# Altium PCB Sensors_Power_Characterisation_Board.PcbDoc (part 1 of 2) (continued)
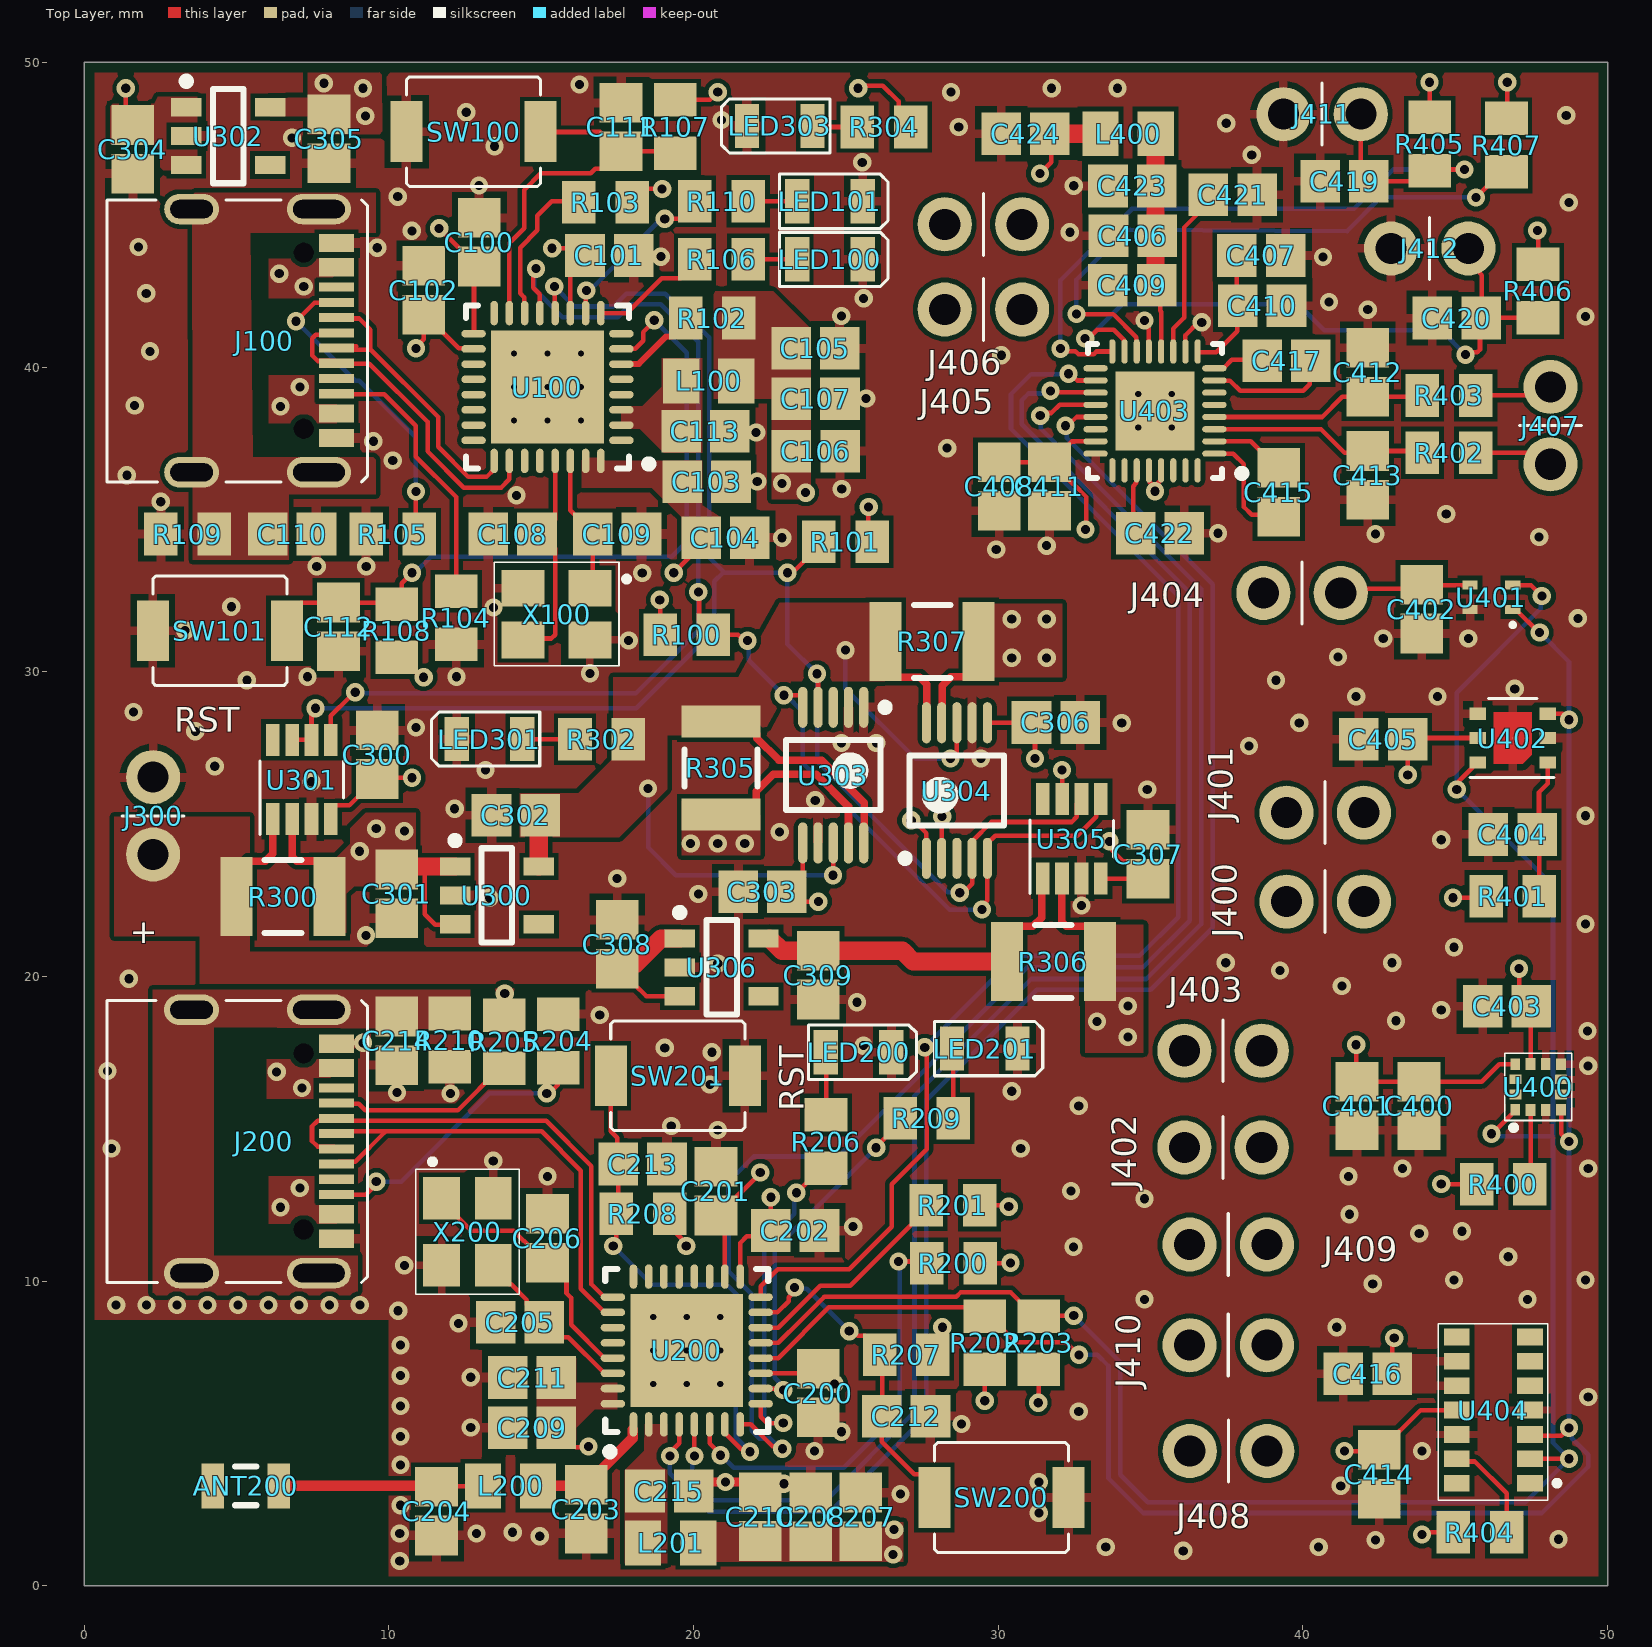
[diagram p0: Top Layer view]
## Design rules (kind name [scope] priority, off if disabled: settings)
BoardOutlineClearance BoardOutlineClearance_1 [All] p1: gap=0.3 ignorepadtopadclearanceinfootprint=FALSE
Clearance "Stitching GND" [IsStitchingVia and InNet('GND') vs (IsVia and (Not IsStitchingVia)) Or IsPad] p1: gap=0.1 ignorepadtopadclearanceinfootprint=FALSE
Clearance Clearance_1 [(ExistsOnLayer('Int1 (GND)') Or ExistsOnLayer('Int2 (PWR)')) vs (ExistsOnLayer('Int1 (GND)') Or ExistsOnLayer('Int2 (PWR)'))] p2: gap=0.15 ignorepadtopadclearanceinfootprint=FALSE except(0.2: Arc-Arc Arc-Track Arc-Text Track-Track Track-Text Text-Text; 0.254: Hole-Hole) sourcerule=47 cellrowname=All cellrowtype=0 cellcolname=All cellcoltype=0 innerlayers=TRUE
Clearance Clearance_2 [(ExistsOnLayer('Top Layer') Or ExistsOnLayer('Bottom Layer')) vs (ExistsOnLayer('Top Layer') Or ExistsOnLayer('Bottom Layer'))] p3: gap=0.15 ignorepadtopadclearanceinfootprint=FALSE except(0.2: Arc-Arc Arc-Track Arc-Text Track-Track Track-Text Text-Text; 0.254: Hole-Hole) sourcerule=47 cellrowname=All cellrowtype=0 cellcolname=All cellcoltype=0 outerlayers=TRUE
Clearance [All] p4: gap=0.254 ignorepadtopadclearanceinfootprint=FALSE ismatrix=TRUE
HoleSize None [HasFootprint('QFN*')] p1: absolutevalues=TRUE maxlimit=2.54 minlimit=0 maxpercent=80.000 minpercent=20.000
HoleSize [All] p2: absolutevalues=TRUE maxlimit=6.3 minlimit=0.3 maxpercent=80.000 minpercent=20.000
HoleToHoleClearance [All] p1: gap=0.5 allowstackedmicrovias=TRUE
Length MaxMinLength_1 [InNet('ANT')] p1: maxlimit=2540 minlimit=0
MaxMinImpedance MaxMinImpedance_1 [InNet('ANT')] p1: minimum=50.00 maximum=50.00
MaximumViaCount MaximumViaCount_1 [InNet('ANT')] p1: limit=0
MinimumSolderMaskSliver MinimumSolderMaskSliver_1 [All] p1: minsoldermaskwidth=0
MinimumSolderMaskSliver [All] p2: minsoldermaskwidth=0.1
PlaneConnect [All] p1: planeconnectstyle=Relief reliefexpansion=0.508 reliefentries=2 reliefconductorwidth=0.254 reliefairgap=0.254
PolygonConnect GND_Via_Connect [IsVia] p1: thpad.connectstyle=Relief thpad.reliefconductorwidth=0.3 thpad.reliefentries=2 thpad.polygonreliefangle="0 Angle" thpad.airgapwidth=0.2 smdpad.connectstyle=Relief smdpad.reliefconductorwidth=0.3 smdpad.reliefentries=2 smdpad.polygonreliefangle="0 Angle" smdpad.airgapwidth=0.2 via.connectstyle=Direct via.reliefconductorwidth=0.254 via.reliefentries=2 via.polygonreliefangle="0 Angle" via.airgapwidth=0.254
PolygonConnect "Direct Connect" [IsNamedPolygon('PMCU_pin2_3') OR IsNamedPolygon('PMCU_pin31_32') OR IsNamedPolygon('PMCU_EARTH') OR IsNamedPolygon('PMCU_ind') OR IsNamedPolygon('SMCU_pin2_3') OR IsNamedPolygon('SMCU_ind') OR IsNamedPolygon('SMCU_pin31_32') OR IsNamedPolygon('SMCU_EARTH') OR IsNamedPolygon('PMCU_REG_IN') OR IsNamedPolygon('PMCU_USB_POWER_IN1') OR IsNamedPolygon('PMCU_USB_POWER_IN2') OR IsNamedPolygon('PMCU_REG_OUT') OR IsNamedPolygon('PowerInConn') OR IsNamedPolygon('3V3REG_OUT') OR IsNamedPolygon('CS_SMCU_POUR') OR IsNamedPolygon('CS_5V_NET')OR IsNamedPolygon('SMCU_USB_POWER_IN1') OR IsNamedPolygon('SMCU_USB_POWER_IN2') OR IsNamedPolygon('PPG_VLED_POUR') OR IsNamedPolygon('CS_3V3_POUR') OR IsNamedPolygon('CS_1V8_Pour')] p2: connectstyle=Direct reliefconductorwidth=0.3 reliefentries=4 polygonreliefangle="45 Angle" airgapwidth=0.2
PolygonConnect [All] p3: connectstyle=Relief reliefconductorwidth=0.3 reliefentries=4 polygonreliefangle="90 Angle" airgapwidth=0.2
RoutingVias [All] p1: holewidth=0.3 width=0.6 viastyle="Through Hole" minholewidth=0.3 minwidth=0.6 maxholewidth=0.3 maxwidth=0.6
SilkToSilkClearance [All] p1: silktosilkclearance=0.1
SilkToSolderMaskClearance [IsPad] p1: minsilkscreentomaskgap=0.1 clearancetoexposedcopper=TRUE
SolderMaskExpansion ViaMasl [IsVia] p1: expansion=0.102 istentingtop=TRUE useseparateexpansions=TRUE expansionbottom=0.102 istentingbottom=TRUE
SolderMaskExpansion [All] p2: expansion=0.05 istentingtop=FALSE
StubLength DaisyChainStubLength_1 [InNet('ANT')] p1: limit=0
UnRoutedNet [All] p1: checkbadconnections=TRUE
Width MaxMinWidth_1 [All] p1: maxlimit=0.7 minlimit=0.1 preferedwidth=0.25 minimp=50.000000 maximp=50.000000 favimp=50.000000
23 further rules are at their usual default settings.

## Classes and differential pairs
component class SH4: ANT200 C200 C201 C202 C203 C204 C205 C206 C207 C208 C209 C210 C211 C212 C213 C214 C215 J200 L200 L201 LED200 LED201 R200 R201 R203 R204 R205 R206 R207 R208 R209 R210 SW200 SW201 U200 X200
component class SH3: C100 C101 C102 C103 C104 C105 C106 C107 C108 C109 C110 C111 C112 C113 J100 L100 LED100 LED101 R100 R101 R102 R103 R104 R105 R106 R107 R108 R109 R110 SW100 SW101 U100 X100
component class SH2: C400 C401 C402 C403 C404 C405 C406 C407 C408 C409 C410 C411 C412 C413 C414 C415 C416 C417 C419 C420 C421 C422 C423 C424 J400 J401 J402 J403 J404 J405 J406 J407 J408 J409 J410 J411 J412 L400 R400 R401 R402 R403 R404 R405 R406 R407 U400 U401 U402 U403 U404
component class SH1: C300 C301 C302 C303 C304 C305 C306 C307 C308 C309 J300 LED301 LED303 R300 R302 R304 R305 R306 R307 U300 U301 U302 U303 U304 U305 U306

## Components (designator, comment, footprint, x,y, rotation, side; value= is the part's Value field where it differs from the comment)
ANT200 "2.4GHZ_ANT_50_OHM" Chip2PinSM127P600-8N 5.296,3.275 r180 top
C100 "C_0805_0.1uF" CAP_0805 12.964,44.099 r90 top
C101 "C_0805_0.1uF" CAP_0805 17.234,43.661 r180 top
C102 "C_0805_0.1uF" CAP_0805 11.138,42.518 r90 top
C103 "C_0805_10nF" CAP_0805 20.426,36.238 r180 top
C104 "C_0805_0.1uF" CAP_0805 21.044,34.39 r180 top
C105 "C_0805_1uF" CAP_0805 23.998,40.613 r180 top
C106 "C_0805_0.1uF" CAP_0805 24.006,37.237 r0 top
C107 "C_0805_10uF" CAP_0805 24.003,38.962 r180 top
C108 "C_0805_10pF" CAP_0805 14.059,34.517 r0 top
C109 "C_0805_10pF" CAP_0805 17.488,34.517 r180 top
C110 "C_0805_10nF" CAP_0805 6.82,34.517 r0 top
C111 "C_0805_0.1uF" CAP_0805 17.615,47.879 r270 top
C112 "C_0805_0.1uF" CAP_0805 8.344,31.469 r90 top
C113 "C_0805_0.1uF" CAP_0805 20.388,37.889 r0 top
C200 "C_0805_0.1uF" CAP_0805 24.092,6.323 r270 top
C201 "C_0805_0.1uF" CAP_0805 20.732,12.95 r270 top
C202 "C_0805_0.1uF" CAP_0805 23.33,11.657 r0 top
C203 "C_0805_3.3pF" CAP_0805 16.472,2.513 r90 top
C204 "C_0805_3.3pF" CAP_0805 11.559,2.446 r90 top
C205 "C_0805_10pF" CAP_0805 14.302,8.65 r0 top
C206 "C_0805_10pF" CAP_0805 15.202,11.403 r270 top
C207 "C_0805_10uF" CAP_0805 25.489,2.259 r270 top
C208 "C_0805_1uF" CAP_0805 23.838,2.259 r270 top
C209 "C_0805_10nF" CAP_0805 14.694,5.18 r0 top
C210 "C_0805_0.1uF" CAP_0805 22.181,2.266 r90 top
C211 "C_0805_0.1uF" CAP_0805 14.694,6.831 r0 top
C212 "C_0805_0.1uF" CAP_0805 26.975,5.561 r180 top
C213 "C_0805_0.1uF" CAP_0805 18.324,13.838 r180 top
C214 "C_0805_10nF" CAP_0805 10.249,17.88 r270 top
C215 "C_0805_0.1uF" CAP_0805 19.202,3.106 r0 top
C300 "C_0805_0.1uF" CAP_0805 9.614,27.278 r90 top
C301 "C_0805_1uF" CAP_0805 10.249,22.706 r90 top
C302 "C_0805_1uF" CAP_0805 14.166,25.291 r0 top
C303 "C_0805_0.1uF" CAP_0805 22.26,22.78 r0 top
C304 "C_0805_1uF" CAP_0805 1.589,47.142 r90 top
C305 "C_0805_1uF" CAP_0805 8.032,47.493 r90 top
C306 "C_0805_0.1uF" CAP_0805 31.889,28.333 r0 top
C307 "C_0805_0.1uF" CAP_0805 34.915,24.006 r90 top
C308 "C_0805_1uF" CAP_0805 17.488,21.055 r270 top
C309 "C_0805_1uF" CAP_0805 24.092,20.039 r90 top
C400 "C_0805_0.1uF" CAP_0805 43.81,15.746 r90 top
C401 "C_0805_10uF" CAP_0805 41.775,15.746 r90 top
C402 "C_0805_0.1uF" CAP_0805 43.897,32.053 r90 top
C403 "C_0805_0.1uF" CAP_0805 46.698,19.023 r0 top
C404 "C_0805_1uF" CAP_0805 46.885,24.658 r0 top
C405 "C_0805_1uF" CAP_0805 42.634,27.786 r0 top
C406 "C_0805_1uF" CAP_0805 34.415,44.311 r0 top
C407 "C_0805_1uF" CAP_0805 38.631,43.661 r180 top
C408 "C_0805_1uF" CAP_0805 30.027,36.079 r270 top
C409 "C_0805_0.1uF" CAP_0805 34.395,42.68 r0 top
C410 "C_0805_0.1uF" CAP_0805 38.659,42.01 r180 top
C411 "C_0805_0.1uF" CAP_0805 31.678,36.079 r270 top
C412 "C_0805_4.7nF" CAP_0805 42.127,39.828 r270 top
C413 "C_0805_4.7nF" CAP_0805 42.127,36.444 r90 top
C414 "C_0805_1uF" CAP_0805 42.507,3.656 r90 top
C415 "C_0805_4.7nF" CAP_0805 39.206,35.891 r270 top
C416 "C_0805_10uF" CAP_0805 42.126,6.958 r0 top
C417 "C_0805_4.7nF" CAP_0805 39.46,40.209 r0 top
C419 "C_0805_0.1uF" CAP_0805 41.364,46.101 r0 top
C420 "C_0805_0.1uF" CAP_0805 45.048,41.606 r0 top
C421 "C_0805_1uF" CAP_0805 37.693,45.653 r180 top
C422 "C_0805_1uF" CAP_0805 35.306,34.544 r180 top
C423 "C_0805_0.1uF" CAP_0805 34.399,45.943 r0 top
C424 "C_0805_0.1uF" CAP_0805 30.893,47.657 r0 top
J100 "USB_C_CONNECTOR" USB_C_CONNECTOR-Footprint-1 7.701,45.183 r270 top
J200 "USB_C_CONNECTOR" USB_C_CONNECTOR-Footprint-1 7.698,18.9 r270 top
J300 "2PIN_2.54mm" 2PIN_2.54mm-Footprint-1 2.258,23.999 r90 top
J400 "JUMPER" 2PIN_2.54mm-Footprint-1 41.999,22.452 r180 top
J401 "JUMPER" 2PIN_2.54mm-Footprint-1 41.999,25.373 r180 top
J402 "JUMPER" 2PIN_2.54mm-Footprint-1 38.646,14.382 r180 top
J403 "JUMPER" 2PIN_2.54mm-Footprint-1 38.646,17.557 r180 top
J404 "JUMPER" 2PIN_2.54mm-Footprint-1 41.24,32.584 r180 top
J405 "JUMPER" 2PIN_2.54mm-Footprint-1 30.782,41.89 r180 top
J406 "JUMPER" 2PIN_2.54mm-Footprint-1 30.782,44.684 r180 top
J407 "2PIN_2.54mm" 2PIN_2.54mm-Footprint-1 48.123,36.808 r90 top
J408 "JUMPER" 2PIN_2.54mm-Footprint-1 38.824,4.418 r180 top
J409 "JUMPER" 2PIN_2.54mm-Footprint-1 38.817,11.196 r180 top
J410 "JUMPER" 2PIN_2.54mm-Footprint-1 38.817,7.894 r180 top
J411 "JUMPER" 2PIN_2.54mm-Footprint-1 39.358,48.298 r0 top
J412 "JUMPER" 2PIN_2.54mm-Footprint-1 42.889,43.892 r0 top
L100 "L_0805_2.2nH" L_0805 20.494,39.544 r180 top
L200 "L_0805_2.2nH" L_0805 13.989,3.275 r0 top
L201 "L_0805_2.2nH" L_0805 19.242,1.401 r180 top
L400 "L_0805_2.2nH" L_0805 34.259,47.657 r180 top
LED100 "LED_0805_GREEN" LED_0806 24.473,43.534 r180 top
LED101 "LED_0805_GREEN" LED_0806 24.473,45.439 r180 top
LED200 "LED_0805_GREEN" LED_0806 25.413,17.509 r180 top
LED201 "LED_0805_GREEN" LED_0806 29.553,17.626 r180 top
LED301 "LED_0805_RED" LED_0806 13.297,27.786 r0 top
LED303 "LED_0805_RED" LED_0806 22.825,47.911 r0 top
R100 "R_0805_5k1" 0805_RES 19.774,31.215 r0 top
R101 "R_0805_5k1" 0805_RES 24.981,34.263 r180 top
R102 "R_0805_5k1" 0805_RES 20.611,41.606 r180 top
R103 "R_0805_5k1" 0805_RES 17.109,45.406 r180 top
R104 "R_0805_5k1" 0805_RES 12.209,31.767 r270 top
R105 "R_0805_5k1" 0805_RES 10.122,34.517 r180 top
R106 "R_0805_330R" 0805_RES 20.917,43.534 r180 top
R107 "R_0805_5k1" 0805_RES 19.393,47.893 r270 top
R108 "R_0805_5k1" 0805_RES 10.249,31.342 r90 top
R109 "R_0805_1M" 0805_RES 3.391,34.517 r0 top
R110 "R_0805_330R" 0805_RES 20.917,45.439 r180 top
R200 "R_0805_5k1" 0805_RES 28.525,10.578 r180 top
R201 "R_0805_5k1" 0805_RES 28.511,12.483 r180 top
R202 "R_0805_5k1" 0805_RES 29.553,7.974 r90 top
R203 "R_0805_5k1" 0805_RES 31.331,7.974 r90 top
R204 "R_0805_5k1" 0805_RES 15.554,17.88 r90 top
R205 "R_0805_5k1" 0805_RES 13.785,17.855 r90 top
R206 "R_0805_330R" 0805_RES 24.346,14.578 r270 top
R207 "R_0805_5k1" 0805_RES 26.975,7.578 r180 top
R208 "R_0805_5k1" 0805_RES 18.334,12.207 r180 top
R209 "R_0805_330R" 0805_RES 27.648,15.34 r180 top
R210 "R_0805_1M" 0805_RES 11.998,17.905 r90 top
R300 "CSR_1210_130m" CSR_1210 6.522,22.619 r180 top
R302 "R_0805_330R" 0805_RES 16.98,27.786 r0 top
R304 "R_0805_330R" 0805_RES 26.251,47.879 r0 top
R305 "CSR_1210_100m" CSR_1210 20.897,26.839 r270 top
R306 "CSR_1210_150m" CSR_1210 31.806,20.485 r0 top
R307 "CSR_1210_6.49R" CSR_1210 27.827,30.992 r0 top
R400 "R_0805_5k1" 0805_RES 46.571,13.181 r180 top
R401 "R_0805_4.7R" 0805_RES 46.885,22.626 r0 top
R402 "R_0805_51k" 0805_RES 44.793,37.184 r0 top
R403 "R_0805_51k" 0805_RES 44.794,39.066 r0 top
R404 "R_0805_5k1" 0805_RES 45.809,1.751 r180 top
R405 "R_0805_5k1" 0805_RES 44.159,47.321 r90 top
R406 "R_0805_5k1" 0805_RES 47.715,42.495 r90 top
R407 "R_0805_5k1" 0805_RES 46.68,47.285 r90 top
SW100 "TACTILE_SW" TACTILE_SW-Footprint-1 14.974,47.724 r180 top
SW101 "TACTILE_SW" TACTILE_SW-Footprint-1 6.648,31.342 r180 top
SW200 "TACTILE_SW" TACTILE_SW-Footprint-1 27.902,2.894 r0 top
SW201 "TACTILE_SW" TACTILE_SW-Footprint-1 17.279,16.737 r0 top
U100 "ESP32-C3" QFN127P600-8N#1 15.202,39.343 r180 top
U200 "ESP32-C3" QFN127P600-8N#1 19.774,7.72 r90 top
U300 "TLV75533PDBVR" SOT95P280X145-5N 13.543,22.656 r0 top
U301 "INA236A" INA236A-Footprint-1 6.186,25.159 r90 top
U302 "TLV75533PDBVR" SOT95P280X145-5N 4.721,47.58 r0 top
U303 "INA228" TSSOP50P490X110-10N 24.582,26.605 r270 top
U304 "INA228" TSSOP50P490X110-10N 28.641,26.099 r90 top
U305 "INA236A" INA236A-Footprint-1 31.458,23.214 r90 top
U306 "TPS784-Q1" SOT95P280X145-5N 20.917,20.293 r0 top
U400 "LIS2DE12" LIS2DE12-Footprint-1 46.97,15.618 r90 top
U401 "SHT40_B" SHT40_B-Footprint-1 46.885,32.043 r180 top
U402 "SGP41" SGP41-D-R4-Footprint-2 48.035,27.022 r180 top
U403 "ADS1292" QFN127P600-8N#2 35.142,38.558 r180 top
U404 "MAX30102" MAX30102-Footprint-1 47.447,3.364 r180 top
X100 "40MHz_OSC" 40MHz_OSC-Footprint-1 16.599,31.039 r180 top
X200 "40MHz_OSC" 40MHz_OSC-Footprint-1 13.424,12.714 r270 top

## Footprints (in the part's own frame and the unit in brackets; to place one, negate y for a bottom-side part, rotate by r counter-clockwise, add the part's x,y. Pads: shape width x height; smd on the part's side, far side on the other; paste and mask are expansions set on the pad)
2PIN_2.54mm-Footprint-1 [mil]
  round 70 hole 40.16: 1(0,0) 2(100,0)
  silkscreen extent 50,-40 50,40, body extent -50,-48 150,50, height 330
40MHz_OSC-Footprint-1 [mm]
  rect 1.4x1.2 smd mask+0.2: 1(0,-1.7) 2(2.2,-1.7) 3(2.2,0) 4(0,0)
  silkscreen extent -1.25,-2.55 3.15,0.85, body extent -0.5,-2.1 2.7,0.4, height 0.6
0805_RES [mm]
  rect 1.1x1.4 smd: 1(-0.875,0) 2(0.875,0)
  body extent -1.07,-0.7 1.07,0.7, height 0.65
CAP_0805 [mm]
  rect 1.3x1.4 smd: 1(-0.8,0) 2(0.8,0)
  body extent -1.05,-0.67 1.05,0.67, height 1.35
Chip2PinSM127P600-8N [mm]
  rect 0.74x1.47 smd: 1(-1.085,0) 2(1.085,0)
  silkscreen extent -0.35,-0.64 0.35,0.64, body extent -1.1,-0.72 1.1,0.72, height 1.2
CSR_1210 [mm]
  rect 1.05x2.6 smd: 1(-1.525,0) 2(1.525,0)
  silkscreen extent -0.6,-1.2 0.6,1.2, body extent -1.7,-1.4 1.7,1.2, height 0.6
INA236A-Footprint-1 [mm]
  rect 1.05x0.45 smd: 1(0,0) 2(0,-0.635) 3(0,-1.27) 4(0,-1.905) 5(2.601,-1.905) 6(2.601,-1.27) 7(2.601,-0.635) 8(2.601,0)
  silkscreen extent -0.5,-2.32 1.91,0.42, body extent -0.17,-2.4 2.63,0.5, height 1.45
L_0805 [mm]
  rect 1.19x1.47 smd: 1(-0.905,0) 2(0.905,0)
  body extent -1.15,-0.72 1.15,0.72, height 1.05
LED_0806 [mm]
  rect 0.8x1.45 smd: 1(-1.075,0) 2(1.075,0)
  silkscreen extent -1.91,-0.89 1.65,0.89, body extent -1,-0.63 1,0.63, height 0.8
LIS2DE12-Footprint-1 [mm]
  rect 0.38x0.32 smd mask+0.1: 1(0,0) 4(0,-1.5) 7(1.5,-1.5) 10(1.5,0)
  rect 0.39x0.32 smd mask+0.1: 2(0,-0.5) 3(0,-1) 8(1.5,-1) 9(1.5,-0.5)
  rect 0.32x0.39 smd mask+0.1: 5(0.5,-1.5) 6(1,-1.5) 11(1,0) 12(0.5,0)
  silkscreen extent -0.64,-1.85 1.85,0.35, body extent -0.25,-1.75 1.75,0.25, height 1
MAX30102-Footprint-1 [mm]
  rect 0.85x0.55 smd mask+0.15: 1(0,0) 2(0,-0.8) 3(0,-1.6) 4(0,-2.4) 5(0,-3.2) 6(0,-4) 7(0,-4.8) 8(2.4,-4.8) 9(2.4,-4) 10(2.4,-3.2) 11(2.4,-2.4) 12(2.4,-1.6) 13(2.4,-0.8) 14(2.4,0)
  silkscreen extent -0.94,-5.23 3.01,0.56, body extent -0.43,-5.13 2.87,0.47, height 1.65
QFN127P600-8N#1 [mm]
  oval 0.8x0.25 smd: 1(-2.425,1.75) 2(-2.425,1.25) 3(-2.425,0.75) 4(-2.425,0.25) 5(-2.425,-0.25) 6(-2.425,-0.75) 7(-2.425,-1.25) 8(-2.425,-1.75) 17(2.425,-1.75) 18(2.425,-1.25) 19(2.425,-0.75) 20(2.425,-0.25) 21(2.425,0.25) 22(2.425,0.75) 23(2.425,1.25) 24(2.425,1.75)
  oval 0.25x0.8 smd: 9(-1.75,-2.425) 10(-1.25,-2.425) 11(-0.75,-2.425) 12(-0.25,-2.425) 13(0.25,-2.425) 14(0.75,-2.425) 15(1.25,-2.425) 16(1.75,-2.425) 25(1.75,2.425) 26(1.25,2.425) 27(0.75,2.425) 28(0.25,2.425) 29(-0.25,2.425) 30(-0.75,2.425) 31(-1.25,2.425) 32(-1.75,2.425)
  rect 3.7x3.7 smd: 33(0,0)
  silkscreen extent -3.45,-2.68 2.68,2.67, body extent -2.58,-2.58 2.58,2.58, height 0.9
QFN127P600-8N#2 [mm]
  oval 0.8x0.2 smd: 1(-1.95,1.4) 2(-1.95,1) 3(-1.95,0.6) 4(-1.95,0.2) 5(-1.95,-0.2) 6(-1.95,-0.6) 7(-1.95,-1) 8(-1.95,-1.4) 17(1.95,-1.4) 18(1.95,-1) 19(1.95,-0.6) 20(1.95,-0.2) 21(1.95,0.2) 22(1.95,0.6) 23(1.95,1) 24(1.95,1.4)
  oval 0.2x0.8 smd: 9(-1.4,-1.95) 10(-1,-1.95) 11(-0.6,-1.95) 12(-0.2,-1.95) 13(0.2,-1.95) 14(0.6,-1.95) 15(1,-1.95) 16(1.4,-1.95) 25(1.4,1.95) 26(1,1.95) 27(0.6,1.95) 28(0.2,1.95) 29(-0.2,1.95) 30(-0.6,1.95) 31(-1,1.95) 32(-1.4,1.95)
  rect 2.6x2.6 smd: 33(0,0)
  silkscreen extent -2.98,-2.2 2.2,2.2, body extent -2.1,-2.1 2.1,2.1, height 0.9
SGP41-D-R4-Footprint-2 [mm]
  rect 0.55x0.4 smd: 1(0,0) 2(0,-0.8) 3(0,-1.6) 4(2.3,-1.6) 5(2.3,-0.8) 6(2.3,0)
  round 0.025 smd: 7(1.15,-0.8)
  Top Layer region: 0.825,0.05 0.525,-0.25 0.525,-1.65 1.775,-1.65 1.775,0.05
  silkscreen extent -0.2,-2.1 2.55,0.5, body extent -0.06,-2.03 2.38,0.41, height 0.95
SHT40_B-Footprint-1 [mm]
  rect 0.5x0.3 smd: 1(0,0) 2(0,-0.799) 3(1.4,-0.8) 4(1.4,0)
  silkscreen extent -0.01,0.5 0.01,0.52, body extent -0.05,-1.15 1.45,0.35, height 0.69
SOT95P280X145-5N [mm] "SOT23, 5-Leads, Body 2.90x2.80mm, Pitch 0.95mm, IPC Medium Density"
  rect 1x0.6 smd: 1(-1.375,0.95) 2(-1.375,0) 3(-1.375,-0.95) 4(1.375,-0.95) 5(1.375,0.95)
  silkscreen extent -1.5,-1.55 0.5,1.92, body extent -1.5,-1.53 1.5,1.53, height 1.45
TACTILE_SW-Footprint-1 [mm]
  rect 1.05x2 smd: 1(0,0) 2(4.4,0)
  silkscreen extent 0,-1.8 4.4,1.8, body extent 0.2,-1.25 4.2,1.25, height 1.75
TSSOP50P490X110-10N [mm] "TSSOP, 10-Leads, Body 3.00x3.00mm, Pitch 0.50mm, IPC Medium Density"
  oval 1.35x0.3 smd: 1(-2.225,1) 2(-2.225,0.5) 3(-2.225,0) 4(-2.225,-0.5) 5(-2.225,-1) 6(2.225,-1) 7(2.225,-0.5) 8(2.225,0) 9(2.225,0.5) 10(2.225,1)
  silkscreen extent -2.35,-1.55 1.15,1.83, body extent -2.45,-1.55 2.45,1.55, height 1.1
USB_C_CONNECTOR-Footprint-1 [mm]
  round 0 hole 0.65 unplated mask+0.1: 16(1.43,-0.5) 16(7.21,-0.5)
  rect 0.6x1.15 smd: A1_B12(1.112,0.575) A4_B9(1.912,0.575) A9_B4(6.712,0.575) A12_B1(7.512,0.575)
  rect 0.3x1.15 smd: A5(3.062,0.575) A6(4.062,0.575) A7(4.562,0.575) A8(5.562,0.575) B5(6.062,0.575) B6(5.062,0.575) B7(3.562,0.575) B8(2.562,0.575)
  oval 1x2.1 hole 0.6 slot 1.7 at 90 deg mask+0.2: MH1(0,0) MH4(8.64,0)
  oval 1x1.8 hole 0.6 slot 1.4 at 90 deg mask+0.2: MH2(0,-4.18) MH3(8.64,-4.18)
  silkscreen extent -0.3,-6.95 8.95,1.6, body extent -0.15,-6.78 8.79,0.82, height 3.38

## Part data
ANT200: library part CMP-00009-6, "2.4GHz Chip Antenna 50 Ohm Impedance ANT2012LL00R2400A", Distributor=Mouser, Order Code=603-ANT2012LL00R2400
C100 C101 C102 C104 C106 C111 C112 C113 C200 C201 C202 C210 C211 C212 C213 C215 C300 C303 C306 C307 C400 C402 C403 C409 C410 C411 C419 C420 C423 C424: library part CMP-00002-3, JLC Part Number=C28233
C103 C110 C209 C214: library part CMP-00012-2, JLC Part Number=C1710
C105 C208 C301 C302 C304 C305 C308 C309 C404 C405 C406 C407 C408 C414 C421 C422: library part CMP-00004-3, JLC Part Number=C28323
C107 C207 C401 C416: library part CMP-00006-2, JLC Part Number=C15850
C108 C109 C205 C206: library part CMP-00016-3, JLC Part Number=C107107
C203 C204: library part CMP-00010-2, "3.3pF Capaciror", JLC Part Number=C1811
C412 C413 C415 C417: library part CMP-00027-3, JLC Part Number=C1744
J100 J200: library part CMP-00013-3, "USB2.0, Type C, Top Mount, Ch 1.68MM, Dual Row SMT / Tap/rl", JLC Part Number=C2831450
J300 J407: library part CMP-00018-3, "2 pin power input", JLC Part Number=C5360898
J400 J401 J402 J403 J404 J405 J406 J408 J409 J410 J411 J412: library part CMP-00028-2, "2 pin jumper", JLC Part Number=C5360898
L100 L200 L201 L400: library part CMP-00011-3, "Required a minimum current of 500mA and a resonant frequrency of at least 6GHz", JLC Part Number=C964055
LED100 LED101 LED200 LED201: library part CMP-00020-3, "LED, Green, SMD, 0805 [2012 Metric], 30 mA, 2 V, 570 nm", JLC Part Number=C2297, Distributor=Farnell, Order Code=2322081
LED301 LED303: library part CMP-00021-4, "LED, Red, SMD, 0805 [2012 Metric], 30 mA, 2 V, 625 nm", JLC Part Number=C94741, Distributor=Farnell, Order Code=2322077
R100 R101 R102 R103 R104 R105 R107 R108 R200 R201 R202 R203 R204 R205 R207 R208 R400 R404 R405 R406 R407: library part CMP-00014-2, JLC Part Number=C27834
R106 R110 R206 R209 R302 R304: library part CMP-00022-2, JLC Part Number=C17630
R109 R210: library part CMP-00037-3, JLC Part Number=C131391
R300: library part CMP-00045-3, "Current Sense Resistors - SMD RLC73K 2E R13 1% 1K RL  RLC73K2ER13FTDF", JLC Part Number=C175909, Distributor=Mouser, Order Code=279-RLC73K2ER13FTDF
R305: library part CMP-00046-2, "Current Sense Resistors - SMD RLC73PW 2E R10 1% 1K RL, RLC73PW2ER10FTDF", JLC Part Number=C160924, Distributor=Mouser, Order Code=279-RLC73PW2ER10FTDF
R306: library part CMP-00035-2, "Current Sense Resistors - SMD RL73H 2E R15 1%5K RL, 150mOhms", JLC Part Number=C186626, Distributor=Mouser, Order Code=279-RL73H2ER15FTD
R307: library part CMP-00044-2, "Current Sense Resistors - SMD 6.49ohms 1% 100 PPM SR732ETTE6R49F", Distributor=Mouser, Order Code=660-SR732ETTE6R49F
R401: library part CMP-00007-3, JLC Part Number=C17675
R402 R403: library part CMP-00039-2, JLC Part Number=C17737
SW100 SW101 SW200 SW201: library part CMP-00017-2, "Keypad Switch, 1 Switches, SPST, Momentary-tactile, 0.05A, 12VDC, 2.94N, Solder Terminal, Surface Mount-straight", JLC Part Number=C455280
U100 U200: library part CMP-00008-4, "33 pin ESP32_C3 Microcontroller", JLC Part Number=C2858491
U300 U302: library part CMP-00019-2, "LDO Voltage Regulators 500-mA high-PSRR low-IQ low-dropout voltage regulator with enable 5-SOT-23 -40 to 125", JLC Part Number=C404027
U301 U305: library part CMP-00031-4, "Current & Power Monitors & Regulators 48-V, 16-bit ultraprecise I²C output digital power monitor with alert in WCSP 8-SOT-23-THIN -40 to 125", JLC Part Number=C5443912, Distributor=Mouser, Order Code=595-INA236AIDDFR
U303 U304: library part CMP-00042-2, "Current & Power Monitors & Regulators AEC-Q100, 85-V, 20-bit, ultraprecise, I²C output current/voltage/power/energy/charge monitor 10-VSSOP -40 to 125", Distributor=Mouser, Order Code=595-INA228AQDGSRQ1
U306: library part CMP-00023-2, "LDO Voltage Regulators Automotive, 300-mA, low-IQ, high-PSRR, LDO voltage regulator with high accuracy and enable 5-SOT-23 -40 to 150", JLC Part Number=C2877783, Distributor=Mouser, Order Code=595-TPS78418QDBVRQ1
U400: library part CMP-00005-10, "Accelerometers MEMS digital output motion sensor: ultra-low-power high-performance 3-axis \"femt", JLC Part Number=C155639, Distributor=Mouser, Order Code=511-LIS2DE12TR
U401: library part CMP-00001-4, "Board Mount Humidity Sensors +/-1.8%RH/+/-0.2C, 4th generation, digital (I2C) humidity and temperature sensor with 0x45 I2C address.", JLC Part Number=C3664342
U402: library part CMP-00000-5, "Air Quality Sensors VOC and NOx (MOX) Gas Pollutant Sensor", JLC Part Number=C3659325
U403: library part CMP-00026-5, "ECG Analog Front End - AFE 2-Channel,24B ADC", JLC Part Number=C456281, Distributor=Mouser, Order Code=595-ADS1292RIRSMT
U404: library part CMP-00048-2, "Biometric Sensors Integrated Optical Sensor", JLC Part Number=C6454833, Distributor=Mouser, Order Code=700-MAX30102EFD+T
X100 X200: library part CMP-00029-2, "40 MHZ Oscillator, 10pF load capacitance", JLC Part Number=C426988

## Via types
v1: diameter 0.6, hole 0.3, Top Layer to Bottom Layer, tented both sides, 310 vias
v2: diameter 0.5, hole 0.2, Top Layer to Bottom Layer, tented both sides, 22 vias

## Nets (pads, with @x,y where several pads share a name; then routed paths per layer and width w, separated by ;. In a path a pad name is that pad's centre, name@x,y a point inside that pad or via, vN(x,y) a via of type N, cw(c..) or ccw(c..) an arc to the next point about the centre after c; other vN are vias at no path point)
+1.8V_REG: C309.2 R306.1 U305.1 U306.5 | length 11.8
  Top Layer w0.15: U306.5@22.292,21.243 U306.5@22.492,21.243
  Top Layer w0.25: R306.1@30.281,20.485 30.281,21.242 30.681,21.642 31.136,21.642 31.423,21.929 31.423,23.179 U305.1@31.458,23.214
  Top Layer w0.6: U306.5@22.492,21.243 22.896,20.839 C309.2@24.092,20.839 26.848,20.839 27.203,20.485 R306.1@30.281,20.485
+1.8V_Sensors: J408.2 R306.2 U305.2 | length 3.7
  Top Layer w0.25: U305.2@32.082,23.203 32.082,21.792 32.229,21.645 32.946,21.645 33.331,21.26 R306.2@33.331,20.485
  other v1: 34.252,18.007 33.236,18.515 34.252,19.023
+3.3V_PMCU: C100.1 C101.2 C102.1 C103.2 C104.2 C105.2 C106.1 C107.2 C300.1 C303.2 C305.2 C306.1 C307.1 L100.1 R100.1 R101.1 R102.1 R103.1 R107.1 R108.1 R304.2 U100.11 U100.17 U100.18 U100.31 U100.32 U301.4 U302.5 U303.6 U304.1 U304.2 U304.6 U305.4 U305.7 | length 36.7
  Top Layer w0.15: U301.4@8.091,25.159 8.091,25.459 8.241,25.609 8.695,25.609 9.564,26.478 C300.1@9.614,26.478 9.652,26.516 v1(10.757,26.516) ; R108.1@10.249,30.467 10.399,30.467 11.048,29.818 v1(11.138,29.818) ; v1(10.884,40.613) 10.884,40.655 11.138,40.909 C102.1@11.138,41.718 11.188,41.718 12.294,40.612 12.758,40.612 U100.18@12.777,40.593 ; v1(11.646,44.55) 12.039,44.157 12.039,44.156 12.171,44.024 12.173,44.024 12.898,43.299 C100.1@12.964,43.299 12.789,43.124 12.789,41.105 U100.17@12.777,41.093 ; v1(15.356,43.898) 16.197,43.898 C101.2@16.434,43.661 15.952,43.179 U100.11@15.952,41.768 ; R103.1@17.984,45.406 18.422,45.844 v1(18.965,45.844) ; v1(18.885,32.358) 18.899,32.344 R100.1@18.899,31.342 ; v1(19.347,33.248) C104.2@20.244,34.145 ; R107.1@19.393,48.768 20.536,48.768 v1(20.79,49.022) ; U303.6@23.553,24.939 U303.6@23.582,24.911 ; U303.6@23.582,24.38 23.582,23.302 C303.2@23.06,22.78 23.387,22.452 v1(24.092,22.452) ; v1(25.4,49.149) 25.486,49.235 25.908,49.235 25.91,49.237 26.208,49.237 26.73,48.716 26.73,48.276 R304.2@27.126,47.879 ; R101.1@25.729,34.39 25.729,35.392 v1(25.743,35.406) ; v1(27.14,25.119) 27.218,25.119 27.641,24.697 U304.1@27.641,23.874 ; U304.2@28.141,23.874 28.148,23.882 28.148,25.239 v1(28.156,25.246) ; U304.6@29.641,28.324 31.08,28.324 C306.1@31.089,28.333 31.204,28.218 v1(31.204,27.151) ; U305.7@32.094,25.815 v1(32.093,26.77) ; U305.4@33.363,23.214 33.372,23.206 C307.1@34.672,23.206 ; v1(33.647,24.432) 33.733,24.345 33.733,24.145 34.109,23.768 34.29,23.768 34.672,23.386 C307.1@34.672,23.206 ; C307.1@34.915,23.206 C307.1@34.672,23.206
  other v1: 23.676,35.877 22.897,36.182 9.224,48.24 9.144,49.149 7.863,49.314
+3.3V_REG: C302.2 R302.2 R305.1 R307.1 U300.5 U303.8 U303.10 U304.8 U304.10 | length 28.3
  Top Layer w0.15: v1(24.576,23.317) 24.582,23.323 U303.8@24.582,24.38 ; v1(28.43,27.151) 28.641,27.361 U304.8@28.641,28.324
  Top Layer w0.25: R305.1@20.897,28.364 21.672,28.364 22.072,27.964 22.072,27.817 22.802,27.087 24.206,27.087 25.596,25.697 25.596,24.394 U303.10@25.582,24.38 ; R307.1@26.302,30.992 26.302,30.217 26.702,29.817 26.864,29.817 ; 26.864,29.816 27.421,29.816 27.648,29.589 27.648,28.332 U304.10@27.641,28.324
  Top Layer w0.6: U300.5@14.918,23.606 C302.2@14.918,24.638
  Bottom Layer w0.15: v1(18.504,26.162) 18.504,24.23 19.418,23.317 v1(24.576,23.317) ; v1(24.981,30.707) 24.981,29.437 27.268,27.151 v1(28.43,27.151)
+3.3V_Sensors: J400.2 J401.2 J402.2 J403.2 J404.2 J405.2 J406.2 J409.2 J410.2 R307.2 U304.9 | length 3.5
  Top Layer w0.25: U304.9@28.141,28.324 28.156,28.34 28.156,29.542 28.448,29.834 28.952,29.834 29.352,30.234 R307.2@29.352,30.992
  other v1: 30.442,30.453 31.585,30.453 30.442,31.723 31.585,31.723
+3.3V_SMCU: C200.1 C201.2 C202.1 C207.2 C208.2 C209.2 C210.1 C211.2 L201.1 R200.1 R201.1 R202.1 R203.1 R207.1 R208.1 R305.2 U200.11 U200.17 U200.18 U200.31 U200.32 U303.9 | length 23.5
  Top Layer w0.15: C209.2@16.069,4.555 16.119,4.555 16.129,4.545 16.528,4.545 v1(16.551,4.569) ; R208.1@18.972,12.178 18.972,12.028 19.756,11.244 v1(19.756,11.149) ; C201.2@20.663,12.127 20.76,12.127 21.507,12.875 21.526,12.875 22.187,13.537 v1(22.187,13.562) ; U200.18@21.024,10.145 21.024,11.599 C201.2@21.044,11.619 ; U200.17@21.524,10.145 21.524,11.248 21.743,11.467 22.34,11.467 C202.1@22.53,11.657 22.53,12.747 v1(22.534,12.751) ; U200.11@22.199,6.97 23.939,6.97 C200.1@24.092,7.123 24.551,7.123 24.551,6.715 24.626,6.639 v1(24.626,6.623) ; R207.1@27.85,7.578 28.162,7.89 v1(28.162,8.482) ; R201.1@29.386,12.483 30.302,12.483 v1(30.344,12.441) ; R200.1@29.4,10.578 30.38,10.578 v1(30.397,10.595) ; v1(29.553,6.069) R202.1@29.553,7.099 ; v1(31.312,6.006) 31.331,6.025 R203.1@31.331,7.099
  Top Layer w0.25: R305.2@20.897,25.314 21.659,25.314 22.059,25.714 22.059,26.076 22.62,26.637 24.02,26.637 25.082,25.575 U303.9@25.082,24.38
  other v1: 26.547,1.025 26.582,1.839 19.901,24.357 20.79,24.357 21.679,24.357
+5V: C301.2 J200.A4_B9 J200.A9_B4 R300.1 U300.1 U300.3 U301.2 | length 7.2
  Top Layer w0.15: 11.174,23.411 11.174,22.035 11.519,21.69 12.152,21.69 U300.3@12.168,21.706
  Top Layer w0.25: U301.2@6.821,25.159 6.821,23.931 6.968,23.784 7.647,23.784 8.047,23.384 R300.1@8.047,22.619
  Top Layer w0.6: C301.2@10.884,23.606 U300.1@12.168,23.606
  other v1: 6.439,12.419 7.074,13.054 7.145,16.337 6.312,16.864 9.037,24.108 10.503,24.765 9.58,24.848
+5V_CONN: C308.2 J300.1 R300.2 U301.1 U306.1 U306.3 | length 6.8
  Top Layer w0.15: C308.2@18.052,19.741 18.45,19.343 U306.3@19.542,19.343
  Top Layer w0.25: R300.2@4.997,22.619 4.997,23.38 5.397,23.78 5.944,23.78 6.186,24.022 U301.1@6.186,25.159
  Top Layer w0.6: C308.2@18.102,20.416 18.93,21.243 U306.1@19.542,21.243
+5V_PMCU: C304.2 J100.A4_B9 J100.A9_B4 U302.1 U302.3 | length 1.5
  Top Layer w0.15: v1(1.359,49.149) 1.359,48.517 1.729,48.148 1.795,48.148 C304.2@2,48.353
  other v1: 6.439,38.708 7.074,39.343 7.201,42.645 6.398,43.065
+A3.3V_Sensors: C406.2 C409.2 C423.2 L400.1 U403.12 | length 7.3
  Top Layer w0.15: C409.2@35.157,42.392 35.309,42.24 35.309,41.843 35.342,41.809 U403.12@35.342,40.483
  Top Layer w0.6: C409.2@35.157,42.392 35.157,44.019 35.157,45.843 L400.1@35.157,47.725
ACC_3.3V: C400.2 C401.2 C403.2 J402.1 J403.1 R400.2 U400.9 U400.10 | length 11.1
  Top Layer w0.15: v1(41.745,17.753) 41.745,16.576 C401.2@41.775,16.546 C400.2@43.81,16.546 45.872,16.546 46.444,17.118 U400.10@46.97,17.118 U400.10@47.005,17.154 ; v1(44.539,13.181) R400.2@45.696,13.181 ; v1(47.093,20.254) 47.093,19.396 47.482,19.007 U400.9@47.482,17.127
ANT: ANT200.1 C204.2 L200.1 | length 6.7
  Top Layer w0.15: C204.2@11.53,3.275 C204.2@11.559,3.246 11.581,3.267 L200.1@13.084,3.267
  Top Layer w0.35: ANT200.1@6.381,3.275 C204.2@11.53,3.275
EARTH: C110.1 J100.MH1 J100.MH2 J100.MH3 J100.MH4 R109.2
EARTH_SENSORS: C214.1 J200.MH1 J200.MH2 J200.MH3 J200.MH4 R210.2
ECG1_N: C413.2 R402.1 U403.3 | length 7.2
  Top Layer w0.15: U403.3@37.067,37.958 40.59,37.958 41.364,37.184 42.067,37.184 C413.2@42.127,37.244 43.858,37.244 R402.1@43.918,37.184
ECG1_P: C412.2 R403.1 U403.4 | length 7.1
  Top Layer w0.15: U403.4@37.067,38.358 40.626,38.358 41.29,39.022 42.121,39.022 C412.2@42.127,39.028 43.881,39.028 R403.1@43.919,39.066
ECG_3.3V: C408.1 C411.1 C424.2 J405.1 J406.1 L400.2 R405.2 R406.2 R407.2 U403.23 U403.28 U403.29 | length 14.5
  Top Layer w0.15: C408.1@30.027,36.879 C411.1@31.678,36.879 C411.1@31.728,36.879 ; v1(31.369,46.355) 31.733,46.719 31.733,47.616 C424.2@31.693,47.657 ; v1(32.86,34.67) 32.939,34.67 32.938,34.671 32.893,34.671 32.893,35.733 32.472,36.154 32.453,36.154 C411.1@31.728,36.879 ; U403.23@33.217,37.558 32.51,37.558 32.508,37.556 32.405,37.556 C411.1@31.728,36.879 ; U403.28@34.942,36.633 34.952,36.624 34.952,36.232 35.141,36.043 v1(35.141,35.921) 35.227,36.007 35.227,36.18 35.342,36.295 U403.29@35.342,36.633 ; v1(44.155,49.348) 44.159,49.344 R405.2@44.159,48.196 ; R407.2@46.68,48.16 46.703,48.184 v1(46.703,49.348) ; v1(47.692,44.479) 47.715,44.456 R406.2@47.715,43.37
  Top Layer w0.6: C424.2@31.693,47.657 L400.2@33.354,47.657